# KiCad board oibus-mini-CCC_PANEL.kicad_pcb

Outline 296 x 258 mm; copper layers: Top, Bottom. Coordinates in mm from the lower left corner of the outline.

## Placement (name value [footprint] x y rotation side)
B1  OI_Logo  [octanis_instruments_logo]  18.9 20.91 180 bottom
B1#2  OI_Logo  [octanis_instruments_logo]  55.9 20.91 180 bottom
B1#3  OI_Logo  [octanis_instruments_logo]  129.9 20.91 180 bottom
B1#4  OI_Logo  [octanis_instruments_logo]  92.9 20.91 180 bottom
B1#5  OI_Logo  [octanis_instruments_logo]  203.9 20.91 180 bottom
B1#6  OI_Logo  [octanis_instruments_logo]  166.9 20.91 180 bottom
B1#7  OI_Logo  [octanis_instruments_logo]  277.9 20.91 180 bottom
B1#8  OI_Logo  [octanis_instruments_logo]  240.9 20.91 180 bottom
B1#9  OI_Logo  [octanis_instruments_logo]  55.9 86.91 180 bottom
B1#10  OI_Logo  [octanis_instruments_logo]  18.9 86.91 180 bottom
B1#11  OI_Logo  [octanis_instruments_logo]  203.9 86.91 180 bottom
B1#12  OI_Logo  [octanis_instruments_logo]  166.9 86.91 180 bottom
B1#13  OI_Logo  [octanis_instruments_logo]  129.9 86.91 180 bottom
B1#14  OI_Logo  [octanis_instruments_logo]  92.9 86.91 180 bottom
B1#15  OI_Logo  [octanis_instruments_logo]  277.9 86.91 180 bottom
B1#16  OI_Logo  [octanis_instruments_logo]  240.9 86.91 180 bottom
B1#17  OI_Logo  [octanis_instruments_logo]  55.9 152.91 180 bottom
B1#18  OI_Logo  [octanis_instruments_logo]  18.9 152.91 180 bottom
B1#19  OI_Logo  [octanis_instruments_logo]  203.9 152.91 180 bottom
B1#20  OI_Logo  [octanis_instruments_logo]  166.9 152.91 180 bottom
B1#21  OI_Logo  [octanis_instruments_logo]  129.9 152.91 180 bottom
B1#22  OI_Logo  [octanis_instruments_logo]  92.9 152.91 180 bottom
B1#23  OI_Logo  [octanis_instruments_logo]  55.9 218.91 180 bottom
B1#24  OI_Logo  [octanis_instruments_logo]  18.9 218.91 180 bottom
B1#25  OI_Logo  [octanis_instruments_logo]  277.9 152.91 180 bottom
B1#26  OI_Logo  [octanis_instruments_logo]  240.9 152.91 180 bottom
B1#27  OI_Logo  [octanis_instruments_logo]  203.9 218.91 180 bottom
B1#28  OI_Logo  [octanis_instruments_logo]  166.9 218.91 180 bottom
B1#29  OI_Logo  [octanis_instruments_logo]  129.9 218.91 180 bottom
B1#30  OI_Logo  [octanis_instruments_logo]  92.9 218.91 180 bottom
B1#31  OI_Logo  [octanis_instruments_logo]  277.9 218.91 180 bottom
B1#32  OI_Logo  [octanis_instruments_logo]  240.9 218.91 180 bottom
BT1  Battery_Cell  [JST_PH_S2B-PH-K_1x02_P2.00mm_Horizontal]  4.2 6.01 0 top
BT1#2  Battery_Cell  [JST_PH_S2B-PH-K_1x02_P2.00mm_Horizontal]  41.2 6.01 0 top
BT1#3  Battery_Cell  [JST_PH_S2B-PH-K_1x02_P2.00mm_Horizontal]  78.2 6.01 0 top
BT1#4  Battery_Cell  [JST_PH_S2B-PH-K_1x02_P2.00mm_Horizontal]  115.2 6.01 0 top
BT1#5  Battery_Cell  [JST_PH_S2B-PH-K_1x02_P2.00mm_Horizontal]  189.2 6.01 0 top
BT1#6  Battery_Cell  [JST_PH_S2B-PH-K_1x02_P2.00mm_Horizontal]  152.2 6.01 0 top
BT1#7  Battery_Cell  [JST_PH_S2B-PH-K_1x02_P2.00mm_Horizontal]  226.2 6.01 0 top
BT1#8  Battery_Cell  [JST_PH_S2B-PH-K_1x02_P2.00mm_Horizontal]  263.2 6.01 0 top
BT1#9  Battery_Cell  [JST_PH_S2B-PH-K_1x02_P2.00mm_Horizontal]  152.2 72.01 0 top
BT1#10  Battery_Cell  [JST_PH_S2B-PH-K_1x02_P2.00mm_Horizontal]  4.2 72.01 0 top
BT1#11  Battery_Cell  [JST_PH_S2B-PH-K_1x02_P2.00mm_Horizontal]  115.2 72.01 0 top
BT1#12  Battery_Cell  [JST_PH_S2B-PH-K_1x02_P2.00mm_Horizontal]  78.2 72.01 0 top
BT1#13  Battery_Cell  [JST_PH_S2B-PH-K_1x02_P2.00mm_Horizontal]  41.2 72.01 0 top
BT1#14  Battery_Cell  [JST_PH_S2B-PH-K_1x02_P2.00mm_Horizontal]  189.2 72.01 0 top
BT1#15  Battery_Cell  [JST_PH_S2B-PH-K_1x02_P2.00mm_Horizontal]  226.2 72.01 0 top
BT1#16  Battery_Cell  [JST_PH_S2B-PH-K_1x02_P2.00mm_Horizontal]  263.2 72.01 0 top
BT1#17  Battery_Cell  [JST_PH_S2B-PH-K_1x02_P2.00mm_Horizontal]  152.2 138.01 0 top
BT1#18  Battery_Cell  [JST_PH_S2B-PH-K_1x02_P2.00mm_Horizontal]  4.2 138.01 0 top
BT1#19  Battery_Cell  [JST_PH_S2B-PH-K_1x02_P2.00mm_Horizontal]  115.2 138.01 0 top
BT1#20  Battery_Cell  [JST_PH_S2B-PH-K_1x02_P2.00mm_Horizontal]  78.2 138.01 0 top
BT1#21  Battery_Cell  [JST_PH_S2B-PH-K_1x02_P2.00mm_Horizontal]  41.2 138.01 0 top
BT1#22  Battery_Cell  [JST_PH_S2B-PH-K_1x02_P2.00mm_Horizontal]  189.2 138.01 0 top
BT1#23  Battery_Cell  [JST_PH_S2B-PH-K_1x02_P2.00mm_Horizontal]  226.2 138.01 0 top
BT1#24  Battery_Cell  [JST_PH_S2B-PH-K_1x02_P2.00mm_Horizontal]  152.2 204.01 0 top
BT1#25  Battery_Cell  [JST_PH_S2B-PH-K_1x02_P2.00mm_Horizontal]  4.2 204.01 0 top
BT1#26  Battery_Cell  [JST_PH_S2B-PH-K_1x02_P2.00mm_Horizontal]  263.2 138.01 0 top
BT1#27  Battery_Cell  [JST_PH_S2B-PH-K_1x02_P2.00mm_Horizontal]  115.2 204.01 0 top
BT1#28  Battery_Cell  [JST_PH_S2B-PH-K_1x02_P2.00mm_Horizontal]  78.2 204.01 0 top
BT1#29  Battery_Cell  [JST_PH_S2B-PH-K_1x02_P2.00mm_Horizontal]  41.2 204.01 0 top
BT1#30  Battery_Cell  [JST_PH_S2B-PH-K_1x02_P2.00mm_Horizontal]  189.2 204.01 0 top
BT1#31  Battery_Cell  [JST_PH_S2B-PH-K_1x02_P2.00mm_Horizontal]  226.2 204.01 0 top
BT1#32  Battery_Cell  [JST_PH_S2B-PH-K_1x02_P2.00mm_Horizontal]  263.2 204.01 0 top
C1  1u  [C_0603_1608Metric]  26.8 16.21 180 top
C1#2  1u  [C_0603_1608Metric]  63.8 16.21 180 top
C1#3  1u  [C_0603_1608Metric]  100.8 16.21 180 top
C1#4  1u  [C_0603_1608Metric]  137.8 16.21 180 top
C1#5  1u  [C_0603_1608Metric]  211.8 16.21 180 top
C1#6  1u  [C_0603_1608Metric]  174.8 16.21 180 top
C1#7  1u  [C_0603_1608Metric]  248.8 16.21 180 top
C1#8  1u  [C_0603_1608Metric]  285.8 16.21 180 top
C1#9  1u  [C_0603_1608Metric]  174.8 82.21 180 top
C1#10  1u  [C_0603_1608Metric]  26.8 82.21 180 top
C1#11  1u  [C_0603_1608Metric]  137.8 82.21 180 top
C1#12  1u  [C_0603_1608Metric]  100.8 82.21 180 top
C1#13  1u  [C_0603_1608Metric]  63.8 82.21 180 top
C1#14  1u  [C_0603_1608Metric]  211.8 82.21 180 top
C1#15  1u  [C_0603_1608Metric]  248.8 82.21 180 top
C1#16  1u  [C_0603_1608Metric]  285.8 82.21 180 top
C1#17  1u  [C_0603_1608Metric]  174.8 148.21 180 top
C1#18  1u  [C_0603_1608Metric]  26.8 148.21 180 top
C1#19  1u  [C_0603_1608Metric]  137.8 148.21 180 top
C1#20  1u  [C_0603_1608Metric]  100.8 148.21 180 top
C1#21  1u  [C_0603_1608Metric]  63.8 148.21 180 top
C1#22  1u  [C_0603_1608Metric]  211.8 148.21 180 top
C1#23  1u  [C_0603_1608Metric]  248.8 148.21 180 top
C1#24  1u  [C_0603_1608Metric]  174.8 214.21 180 top
C1#25  1u  [C_0603_1608Metric]  26.8 214.21 180 top
C1#26  1u  [C_0603_1608Metric]  285.8 148.21 180 top
C1#27  1u  [C_0603_1608Metric]  137.8 214.21 180 top
C1#28  1u  [C_0603_1608Metric]  100.8 214.21 180 top
C1#29  1u  [C_0603_1608Metric]  63.8 214.21 180 top
C1#30  1u  [C_0603_1608Metric]  211.8 214.21 180 top
C1#31  1u  [C_0603_1608Metric]  248.8 214.21 180 top
C1#32  1u  [C_0603_1608Metric]  285.8 214.21 180 top
C2  47u 16V  [C_Elec_5x5.4]  33.25 3.21 0 top
C2#2  47u 16V  [C_Elec_5x5.4]  70.25 3.21 0 top
C2#3  47u 16V  [C_Elec_5x5.4]  144.25 3.21 0 top
C2#4  47u 16V  [C_Elec_5x5.4]  107.25 3.21 0 top
C2#5  47u 16V  [C_Elec_5x5.4]  218.25 3.21 0 top
C2#6  47u 16V  [C_Elec_5x5.4]  181.25 3.21 0 top
C2#7  47u 16V  [C_Elec_5x5.4]  292.25 3.21 0 top
C2#8  47u 16V  [C_Elec_5x5.4]  255.25 3.21 0 top
C2#9  47u 16V  [C_Elec_5x5.4]  70.25 69.21 0 top
C2#10  47u 16V  [C_Elec_5x5.4]  33.25 69.21 0 top
C2#11  47u 16V  [C_Elec_5x5.4]  218.25 69.21 0 top
C2#12  47u 16V  [C_Elec_5x5.4]  181.25 69.21 0 top
C2#13  47u 16V  [C_Elec_5x5.4]  144.25 69.21 0 top
C2#14  47u 16V  [C_Elec_5x5.4]  107.25 69.21 0 top
C2#15  47u 16V  [C_Elec_5x5.4]  292.25 69.21 0 top
C2#16  47u 16V  [C_Elec_5x5.4]  255.25 69.21 0 top
C2#17  47u 16V  [C_Elec_5x5.4]  70.25 135.21 0 top
C2#18  47u 16V  [C_Elec_5x5.4]  33.25 135.21 0 top
C2#19  47u 16V  [C_Elec_5x5.4]  218.25 135.21 0 top
C2#20  47u 16V  [C_Elec_5x5.4]  181.25 135.21 0 top
C2#21  47u 16V  [C_Elec_5x5.4]  144.25 135.21 0 top
C2#22  47u 16V  [C_Elec_5x5.4]  107.25 135.21 0 top
C2#23  47u 16V  [C_Elec_5x5.4]  70.25 201.21 0 top
C2#24  47u 16V  [C_Elec_5x5.4]  33.25 201.21 0 top
C2#25  47u 16V  [C_Elec_5x5.4]  292.25 135.21 0 top
C2#26  47u 16V  [C_Elec_5x5.4]  255.25 135.21 0 top
C2#27  47u 16V  [C_Elec_5x5.4]  218.25 201.21 0 top
C2#28  47u 16V  [C_Elec_5x5.4]  181.25 201.21 0 top
C2#29  47u 16V  [C_Elec_5x5.4]  144.25 201.21 0 top
C2#30  47u 16V  [C_Elec_5x5.4]  107.25 201.21 0 top
C2#31  47u 16V  [C_Elec_5x5.4]  292.25 201.21 0 top
C2#32  47u 16V  [C_Elec_5x5.4]  255.25 201.21 0 top
C3  1u  [C_0603_1608Metric]  26.8 22.11 180 top
C3#2  1u  [C_0603_1608Metric]  63.8 22.11 180 top
C3#3  1u  [C_0603_1608Metric]  100.8 22.11 180 top
C3#4  1u  [C_0603_1608Metric]  137.8 22.11 180 top
C3#5  1u  [C_0603_1608Metric]  211.8 22.11 180 top
C3#6  1u  [C_0603_1608Metric]  174.8 22.11 180 top
C3#7  1u  [C_0603_1608Metric]  248.8 22.11 180 top
C3#8  1u  [C_0603_1608Metric]  285.8 22.11 180 top
C3#9  1u  [C_0603_1608Metric]  174.8 88.11 180 top
C3#10  1u  [C_0603_1608Metric]  26.8 88.11 180 top
C3#11  1u  [C_0603_1608Metric]  137.8 88.11 180 top
C3#12  1u  [C_0603_1608Metric]  100.8 88.11 180 top
C3#13  1u  [C_0603_1608Metric]  63.8 88.11 180 top
C3#14  1u  [C_0603_1608Metric]  211.8 88.11 180 top
C3#15  1u  [C_0603_1608Metric]  248.8 88.11 180 top
C3#16  1u  [C_0603_1608Metric]  285.8 88.11 180 top
C3#17  1u  [C_0603_1608Metric]  174.8 154.11 180 top
C3#18  1u  [C_0603_1608Metric]  26.8 154.11 180 top
C3#19  1u  [C_0603_1608Metric]  137.8 154.11 180 top
C3#20  1u  [C_0603_1608Metric]  100.8 154.11 180 top
C3#21  1u  [C_0603_1608Metric]  63.8 154.11 180 top
C3#22  1u  [C_0603_1608Metric]  211.8 154.11 180 top
C3#23  1u  [C_0603_1608Metric]  248.8 154.11 180 top
C3#24  1u  [C_0603_1608Metric]  174.8 220.11 180 top
C3#25  1u  [C_0603_1608Metric]  26.8 220.11 180 top
C3#26  1u  [C_0603_1608Metric]  285.8 154.11 180 top
C3#27  1u  [C_0603_1608Metric]  137.8 220.11 180 top
C3#28  1u  [C_0603_1608Metric]  100.8 220.11 180 top
C3#29  1u  [C_0603_1608Metric]  63.8 220.11 180 top
C3#30  1u  [C_0603_1608Metric]  211.8 220.11 180 top
C3#31  1u  [C_0603_1608Metric]  248.8 220.11 180 top
C3#32  1u  [C_0603_1608Metric]  285.8 220.11 180 top
C4  4u7  [C_0603_1608Metric]  17.3 16.91 90 top
C4#2  4u7  [C_0603_1608Metric]  54.3 16.91 90 top
C4#3  4u7  [C_0603_1608Metric]  91.3 16.91 90 top
C4#4  4u7  [C_0603_1608Metric]  128.3 16.91 90 top
C4#5  4u7  [C_0603_1608Metric]  165.3 16.91 90 top
C4#6  4u7  [C_0603_1608Metric]  202.3 16.91 90 top
C4#7  4u7  [C_0603_1608Metric]  276.3 16.91 90 top
C4#8  4u7  [C_0603_1608Metric]  239.3 16.91 90 top
C4#9  4u7  [C_0603_1608Metric]  17.3 82.91 90 top
C4#10  4u7  [C_0603_1608Metric]  202.3 82.91 90 top
C4#11  4u7  [C_0603_1608Metric]  91.3 82.91 90 top
C4#12  4u7  [C_0603_1608Metric]  128.3 82.91 90 top
C4#13  4u7  [C_0603_1608Metric]  54.3 82.91 90 top
C4#14  4u7  [C_0603_1608Metric]  165.3 82.91 90 top
C4#15  4u7  [C_0603_1608Metric]  276.3 82.91 90 top
C4#16  4u7  [C_0603_1608Metric]  239.3 82.91 90 top
C4#17  4u7  [C_0603_1608Metric]  17.3 148.91 90 top
C4#18  4u7  [C_0603_1608Metric]  202.3 148.91 90 top
C4#19  4u7  [C_0603_1608Metric]  91.3 148.91 90 top
C4#20  4u7  [C_0603_1608Metric]  128.3 148.91 90 top
C4#21  4u7  [C_0603_1608Metric]  54.3 148.91 90 top
C4#22  4u7  [C_0603_1608Metric]  165.3 148.91 90 top
C4#23  4u7  [C_0603_1608Metric]  17.3 214.91 90 top
C4#24  4u7  [C_0603_1608Metric]  276.3 148.91 90 top
C4#25  4u7  [C_0603_1608Metric]  239.3 148.91 90 top
C4#26  4u7  [C_0603_1608Metric]  202.3 214.91 90 top
C4#27  4u7  [C_0603_1608Metric]  91.3 214.91 90 top
C4#28  4u7  [C_0603_1608Metric]  128.3 214.91 90 top
C4#29  4u7  [C_0603_1608Metric]  54.3 214.91 90 top
C4#30  4u7  [C_0603_1608Metric]  165.3 214.91 90 top
C4#31  4u7  [C_0603_1608Metric]  276.3 214.91 90 top
C4#32  4u7  [C_0603_1608Metric]  239.3 214.91 90 top
C5  100n  [C_0603_1608Metric]  35 58.01 180 top
C5#2  100n  [C_0603_1608Metric]  72 58.01 180 top
C5#3  100n  [C_0603_1608Metric]  109 58.01 180 top
C5#4  100n  [C_0603_1608Metric]  146 58.01 180 top
C5#5  100n  [C_0603_1608Metric]  220 58.01 180 top
C5#6  100n  [C_0603_1608Metric]  183 58.01 180 top
C5#7  100n  [C_0603_1608Metric]  294 58.01 180 top
C5#8  100n  [C_0603_1608Metric]  257 58.01 180 top
C5#9  100n  [C_0603_1608Metric]  35 124.01 180 top
C5#10  100n  [C_0603_1608Metric]  146 124.01 180 top
C5#11  100n  [C_0603_1608Metric]  109 124.01 180 top
C5#12  100n  [C_0603_1608Metric]  72 124.01 180 top
C5#13  100n  [C_0603_1608Metric]  220 124.01 180 top
C5#14  100n  [C_0603_1608Metric]  183 124.01 180 top
C5#15  100n  [C_0603_1608Metric]  294 124.01 180 top
C5#16  100n  [C_0603_1608Metric]  257 124.01 180 top
C5#17  100n  [C_0603_1608Metric]  35 190.01 180 top
C5#18  100n  [C_0603_1608Metric]  146 190.01 180 top
C5#19  100n  [C_0603_1608Metric]  109 190.01 180 top
C5#20  100n  [C_0603_1608Metric]  72 190.01 180 top
C5#21  100n  [C_0603_1608Metric]  220 190.01 180 top
C5#22  100n  [C_0603_1608Metric]  183 190.01 180 top
C5#23  100n  [C_0603_1608Metric]  35 256.01 180 top
C5#24  100n  [C_0603_1608Metric]  294 190.01 180 top
C5#25  100n  [C_0603_1608Metric]  257 190.01 180 top
C5#26  100n  [C_0603_1608Metric]  146 256.01 180 top
C5#27  100n  [C_0603_1608Metric]  109 256.01 180 top
C5#28  100n  [C_0603_1608Metric]  72 256.01 180 top
C5#29  100n  [C_0603_1608Metric]  220 256.01 180 top
C5#30  100n  [C_0603_1608Metric]  183 256.01 180 top
C5#31  100n  [C_0603_1608Metric]  294 256.01 180 top
C5#32  100n  [C_0603_1608Metric]  257 256.01 180 top
C6  100n  [C_0603_1608Metric]  32 18.51 180 top
C6#2  100n  [C_0603_1608Metric]  69 18.51 180 top
C6#3  100n  [C_0603_1608Metric]  106 18.51 180 top
C6#4  100n  [C_0603_1608Metric]  143 18.51 180 top
C6#5  100n  [C_0603_1608Metric]  180 18.51 180 top
C6#6  100n  [C_0603_1608Metric]  217 18.51 180 top
C6#7  100n  [C_0603_1608Metric]  291 18.51 180 top
C6#8  100n  [C_0603_1608Metric]  254 18.51 180 top
C6#9  100n  [C_0603_1608Metric]  32 84.51 180 top
C6#10  100n  [C_0603_1608Metric]  217 84.51 180 top
C6#11  100n  [C_0603_1608Metric]  106 84.51 180 top
C6#12  100n  [C_0603_1608Metric]  143 84.51 180 top
C6#13  100n  [C_0603_1608Metric]  69 84.51 180 top
C6#14  100n  [C_0603_1608Metric]  180 84.51 180 top
C6#15  100n  [C_0603_1608Metric]  291 84.51 180 top
C6#16  100n  [C_0603_1608Metric]  254 84.51 180 top
C6#17  100n  [C_0603_1608Metric]  32 150.51 180 top
C6#18  100n  [C_0603_1608Metric]  217 150.51 180 top
C6#19  100n  [C_0603_1608Metric]  106 150.51 180 top
C6#20  100n  [C_0603_1608Metric]  143 150.51 180 top
C6#21  100n  [C_0603_1608Metric]  69 150.51 180 top
C6#22  100n  [C_0603_1608Metric]  180 150.51 180 top
C6#23  100n  [C_0603_1608Metric]  291 150.51 180 top
C6#24  100n  [C_0603_1608Metric]  32 216.51 180 top
C6#25  100n  [C_0603_1608Metric]  254 150.51 180 top
C6#26  100n  [C_0603_1608Metric]  217 216.51 180 top
C6#27  100n  [C_0603_1608Metric]  106 216.51 180 top
C6#28  100n  [C_0603_1608Metric]  143 216.51 180 top
C6#29  100n  [C_0603_1608Metric]  69 216.51 180 top
C6#30  100n  [C_0603_1608Metric]  180 216.51 180 top
C6#31  100n  [C_0603_1608Metric]  291 216.51 180 top
C6#32  100n  [C_0603_1608Metric]  254 216.51 180 top
C7  4u7  [C_0603_1608Metric]  14.5 7.01 270 top
C7#2  4u7  [C_0603_1608Metric]  51.5 7.01 270 top
C7#3  4u7  [C_0603_1608Metric]  88.5 7.01 270 top
C7#4  4u7  [C_0603_1608Metric]  125.5 7.01 270 top
C7#5  4u7  [C_0603_1608Metric]  162.5 7.01 270 top
C7#6  4u7  [C_0603_1608Metric]  199.5 7.01 270 top
C7#7  4u7  [C_0603_1608Metric]  273.5 7.01 270 top
C7#8  4u7  [C_0603_1608Metric]  236.5 7.01 270 top
C7#9  4u7  [C_0603_1608Metric]  14.5 73.01 270 top
C7#10  4u7  [C_0603_1608Metric]  199.5 73.01 270 top
C7#11  4u7  [C_0603_1608Metric]  88.5 73.01 270 top
C7#12  4u7  [C_0603_1608Metric]  125.5 73.01 270 top
C7#13  4u7  [C_0603_1608Metric]  51.5 73.01 270 top
C7#14  4u7  [C_0603_1608Metric]  162.5 73.01 270 top
C7#15  4u7  [C_0603_1608Metric]  273.5 73.01 270 top
C7#16  4u7  [C_0603_1608Metric]  236.5 73.01 270 top
C7#17  4u7  [C_0603_1608Metric]  14.5 139.01 270 top
C7#18  4u7  [C_0603_1608Metric]  199.5 139.01 270 top
C7#19  4u7  [C_0603_1608Metric]  88.5 139.01 270 top
C7#20  4u7  [C_0603_1608Metric]  125.5 139.01 270 top
C7#21  4u7  [C_0603_1608Metric]  51.5 139.01 270 top
C7#22  4u7  [C_0603_1608Metric]  162.5 139.01 270 top
C7#23  4u7  [C_0603_1608Metric]  14.5 205.01 270 top
C7#24  4u7  [C_0603_1608Metric]  273.5 139.01 270 top
C7#25  4u7  [C_0603_1608Metric]  236.5 139.01 270 top
C7#26  4u7  [C_0603_1608Metric]  199.5 205.01 270 top
C7#27  4u7  [C_0603_1608Metric]  88.5 205.01 270 top
C7#28  4u7  [C_0603_1608Metric]  125.5 205.01 270 top
C7#29  4u7  [C_0603_1608Metric]  51.5 205.01 270 top
C7#30  4u7  [C_0603_1608Metric]  162.5 205.01 270 top
C7#31  4u7  [C_0603_1608Metric]  273.5 205.01 270 top
C7#32  4u7  [C_0603_1608Metric]  236.5 205.01 270 top
C8  4u7  [C_0603_1608Metric]  21 6.76 90 top
C8#2  4u7  [C_0603_1608Metric]  58 6.76 90 top
C8#3  4u7  [C_0603_1608Metric]  95 6.76 90 top
C8#4  4u7  [C_0603_1608Metric]  132 6.76 90 top
C8#5  4u7  [C_0603_1608Metric]  169 6.76 90 top
C8#6  4u7  [C_0603_1608Metric]  206 6.76 90 top
C8#7  4u7  [C_0603_1608Metric]  280 6.76 90 top
C8#8  4u7  [C_0603_1608Metric]  243 6.76 90 top
C8#9  4u7  [C_0603_1608Metric]  21 72.76 90 top
C8#10  4u7  [C_0603_1608Metric]  206 72.76 90 top
C8#11  4u7  [C_0603_1608Metric]  95 72.76 90 top
C8#12  4u7  [C_0603_1608Metric]  132 72.76 90 top
C8#13  4u7  [C_0603_1608Metric]  58 72.76 90 top
C8#14  4u7  [C_0603_1608Metric]  169 72.76 90 top
C8#15  4u7  [C_0603_1608Metric]  280 72.76 90 top
C8#16  4u7  [C_0603_1608Metric]  243 72.76 90 top
C8#17  4u7  [C_0603_1608Metric]  21 138.76 90 top
C8#18  4u7  [C_0603_1608Metric]  206 138.76 90 top
C8#19  4u7  [C_0603_1608Metric]  95 138.76 90 top
C8#20  4u7  [C_0603_1608Metric]  132 138.76 90 top
C8#21  4u7  [C_0603_1608Metric]  58 138.76 90 top
C8#22  4u7  [C_0603_1608Metric]  169 138.76 90 top
C8#23  4u7  [C_0603_1608Metric]  21 204.76 90 top
C8#24  4u7  [C_0603_1608Metric]  280 138.76 90 top
C8#25  4u7  [C_0603_1608Metric]  243 138.76 90 top
C8#26  4u7  [C_0603_1608Metric]  206 204.76 90 top
C8#27  4u7  [C_0603_1608Metric]  95 204.76 90 top
C8#28  4u7  [C_0603_1608Metric]  132 204.76 90 top
C8#29  4u7  [C_0603_1608Metric]  58 204.76 90 top
C8#30  4u7  [C_0603_1608Metric]  169 204.76 90 top
C8#31  4u7  [C_0603_1608Metric]  280 204.76 90 top
C8#32  4u7  [C_0603_1608Metric]  243 204.76 90 top
C9  10u  [C_0805_2012Metric]  15.05 16.91 90 top
C9#2  10u  [C_0805_2012Metric]  52.05 16.91 90 top
C9#3  10u  [C_0805_2012Metric]  89.05 16.91 90 top
C9#4  10u  [C_0805_2012Metric]  126.05 16.91 90 top
C9#5  10u  [C_0805_2012Metric]  200.05 16.91 90 top
C9#6  10u  [C_0805_2012Metric]  163.05 16.91 90 top
C9#7  10u  [C_0805_2012Metric]  237.05 16.91 90 top
C9#8  10u  [C_0805_2012Metric]  274.05 16.91 90 top
C9#9  10u  [C_0805_2012Metric]  15.05 82.91 90 top
C9#10  10u  [C_0805_2012Metric]  163.05 82.91 90 top
C9#11  10u  [C_0805_2012Metric]  126.05 82.91 90 top
C9#12  10u  [C_0805_2012Metric]  89.05 82.91 90 top
C9#13  10u  [C_0805_2012Metric]  52.05 82.91 90 top
C9#14  10u  [C_0805_2012Metric]  200.05 82.91 90 top
C9#15  10u  [C_0805_2012Metric]  237.05 82.91 90 top
C9#16  10u  [C_0805_2012Metric]  274.05 82.91 90 top
C9#17  10u  [C_0805_2012Metric]  15.05 148.91 90 top
C9#18  10u  [C_0805_2012Metric]  163.05 148.91 90 top
C9#19  10u  [C_0805_2012Metric]  126.05 148.91 90 top
C9#20  10u  [C_0805_2012Metric]  89.05 148.91 90 top
C9#21  10u  [C_0805_2012Metric]  52.05 148.91 90 top
C9#22  10u  [C_0805_2012Metric]  200.05 148.91 90 top
C9#23  10u  [C_0805_2012Metric]  237.05 148.91 90 top
C9#24  10u  [C_0805_2012Metric]  15.05 214.91 90 top
C9#25  10u  [C_0805_2012Metric]  274.05 148.91 90 top
C9#26  10u  [C_0805_2012Metric]  163.05 214.91 90 top
C9#27  10u  [C_0805_2012Metric]  126.05 214.91 90 top
C9#28  10u  [C_0805_2012Metric]  89.05 214.91 90 top
C9#29  10u  [C_0805_2012Metric]  52.05 214.91 90 top
C9#30  10u  [C_0805_2012Metric]  200.05 214.91 90 top
C9#31  10u  [C_0805_2012Metric]  237.05 214.91 90 top
C9#32  10u  [C_0805_2012Metric]  274.05 214.91 90 top
C10  100n  [C_0603_1608Metric]  1.2 20.21 270 top
C10#2  100n  [C_0603_1608Metric]  38.2 20.21 270 top
C10#3  100n  [C_0603_1608Metric]  75.2 20.21 270 top
C10#4  100n  [C_0603_1608Metric]  112.2 20.21 270 top
C10#5  100n  [C_0603_1608Metric]  186.2 20.21 270 top
C10#6  100n  [C_0603_1608Metric]  149.2 20.21 270 top
C10#7  100n  [C_0603_1608Metric]  223.2 20.21 270 top
C10#8  100n  [C_0603_1608Metric]  260.2 20.21 270 top
C10#9  100n  [C_0603_1608Metric]  1.2 86.21 270 top
C10#10  100n  [C_0603_1608Metric]  149.2 86.21 270 top
C10#11  100n  [C_0603_1608Metric]  112.2 86.21 270 top
C10#12  100n  [C_0603_1608Metric]  75.2 86.21 270 top
C10#13  100n  [C_0603_1608Metric]  38.2 86.21 270 top
C10#14  100n  [C_0603_1608Metric]  186.2 86.21 270 top
C10#15  100n  [C_0603_1608Metric]  223.2 86.21 270 top
C10#16  100n  [C_0603_1608Metric]  260.2 86.21 270 top
C10#17  100n  [C_0603_1608Metric]  1.2 152.21 270 top
C10#18  100n  [C_0603_1608Metric]  149.2 152.21 270 top
C10#19  100n  [C_0603_1608Metric]  112.2 152.21 270 top
C10#20  100n  [C_0603_1608Metric]  75.2 152.21 270 top
C10#21  100n  [C_0603_1608Metric]  38.2 152.21 270 top
C10#22  100n  [C_0603_1608Metric]  186.2 152.21 270 top
C10#23  100n  [C_0603_1608Metric]  223.2 152.21 270 top
C10#24  100n  [C_0603_1608Metric]  1.2 218.21 270 top
C10#25  100n  [C_0603_1608Metric]  260.2 152.21 270 top
C10#26  100n  [C_0603_1608Metric]  149.2 218.21 270 top
C10#27  100n  [C_0603_1608Metric]  112.2 218.21 270 top
C10#28  100n  [C_0603_1608Metric]  75.2 218.21 270 top
C10#29  100n  [C_0603_1608Metric]  38.2 218.21 270 top
C10#30  100n  [C_0603_1608Metric]  186.2 218.21 270 top
C10#31  100n  [C_0603_1608Metric]  223.2 218.21 270 top
C10#32  100n  [C_0603_1608Metric]  260.2 218.21 270 top
C11  100n  [C_0603_1608Metric]  11.2 49.71 180 top
C11#2  100n  [C_0603_1608Metric]  48.2 49.71 180 top
C11#3  100n  [C_0603_1608Metric]  85.2 49.71 180 top
C11#4  100n  [C_0603_1608Metric]  122.2 49.71 180 top
C11#5  100n  [C_0603_1608Metric]  196.2 49.71 180 top
C11#6  100n  [C_0603_1608Metric]  159.2 49.71 180 top
C11#7  100n  [C_0603_1608Metric]  233.2 49.71 180 top
C11#8  100n  [C_0603_1608Metric]  270.2 49.71 180 top
C11#9  100n  [C_0603_1608Metric]  11.2 115.71 180 top
C11#10  100n  [C_0603_1608Metric]  159.2 115.71 180 top
C11#11  100n  [C_0603_1608Metric]  122.2 115.71 180 top
C11#12  100n  [C_0603_1608Metric]  85.2 115.71 180 top
C11#13  100n  [C_0603_1608Metric]  48.2 115.71 180 top
C11#14  100n  [C_0603_1608Metric]  196.2 115.71 180 top
C11#15  100n  [C_0603_1608Metric]  233.2 115.71 180 top
C11#16  100n  [C_0603_1608Metric]  270.2 115.71 180 top
C11#17  100n  [C_0603_1608Metric]  11.2 181.71 180 top
C11#18  100n  [C_0603_1608Metric]  159.2 181.71 180 top
C11#19  100n  [C_0603_1608Metric]  122.2 181.71 180 top
C11#20  100n  [C_0603_1608Metric]  85.2 181.71 180 top
C11#21  100n  [C_0603_1608Metric]  48.2 181.71 180 top
C11#22  100n  [C_0603_1608Metric]  196.2 181.71 180 top
C11#23  100n  [C_0603_1608Metric]  233.2 181.71 180 top
C11#24  100n  [C_0603_1608Metric]  11.2 247.71 180 top
C11#25  100n  [C_0603_1608Metric]  270.2 181.71 180 top
C11#26  100n  [C_0603_1608Metric]  159.2 247.71 180 top
C11#27  100n  [C_0603_1608Metric]  122.2 247.71 180 top
C11#28  100n  [C_0603_1608Metric]  85.2 247.71 180 top
C11#29  100n  [C_0603_1608Metric]  48.2 247.71 180 top
C11#30  100n  [C_0603_1608Metric]  196.2 247.71 180 top
C11#31  100n  [C_0603_1608Metric]  233.2 247.71 180 top
C11#32  100n  [C_0603_1608Metric]  270.2 247.71 180 top
C12  10n  [C_0603_1608Metric]  21.75 4.26 0 top
C12#2  10n  [C_0603_1608Metric]  58.75 4.26 0 top
C12#3  10n  [C_0603_1608Metric]  95.75 4.26 0 top
C12#4  10n  [C_0603_1608Metric]  132.75 4.26 0 top
C12#5  10n  [C_0603_1608Metric]  206.75 4.26 0 top
C12#6  10n  [C_0603_1608Metric]  169.75 4.26 0 top
C12#7  10n  [C_0603_1608Metric]  243.75 4.26 0 top
C12#8  10n  [C_0603_1608Metric]  280.75 4.26 0 top
C12#9  10n  [C_0603_1608Metric]  21.75 70.26 0 top
C12#10  10n  [C_0603_1608Metric]  169.75 70.26 0 top
C12#11  10n  [C_0603_1608Metric]  132.75 70.26 0 top
C12#12  10n  [C_0603_1608Metric]  95.75 70.26 0 top
C12#13  10n  [C_0603_1608Metric]  58.75 70.26 0 top
C12#14  10n  [C_0603_1608Metric]  206.75 70.26 0 top
C12#15  10n  [C_0603_1608Metric]  243.75 70.26 0 top
C12#16  10n  [C_0603_1608Metric]  280.75 70.26 0 top
C12#17  10n  [C_0603_1608Metric]  21.75 136.26 0 top
C12#18  10n  [C_0603_1608Metric]  169.75 136.26 0 top
C12#19  10n  [C_0603_1608Metric]  132.75 136.26 0 top
C12#20  10n  [C_0603_1608Metric]  95.75 136.26 0 top
C12#21  10n  [C_0603_1608Metric]  58.75 136.26 0 top
C12#22  10n  [C_0603_1608Metric]  206.75 136.26 0 top
C12#23  10n  [C_0603_1608Metric]  21.75 202.26 0 top
C12#24  10n  [C_0603_1608Metric]  243.75 136.26 0 top
C12#25  10n  [C_0603_1608Metric]  280.75 136.26 0 top
C12#26  10n  [C_0603_1608Metric]  169.75 202.26 0 top
C12#27  10n  [C_0603_1608Metric]  132.75 202.26 0 top
C12#28  10n  [C_0603_1608Metric]  95.75 202.26 0 top
C12#29  10n  [C_0603_1608Metric]  58.75 202.26 0 top
C12#30  10n  [C_0603_1608Metric]  206.75 202.26 0 top
C12#31  10n  [C_0603_1608Metric]  243.75 202.26 0 top
C12#32  10n  [C_0603_1608Metric]  280.75 202.26 0 top
C13  100n  [C_0603_1608Metric]  6.1 31.21 90 top
C13#2  100n  [C_0603_1608Metric]  43.1 31.21 90 top
C13#3  100n  [C_0603_1608Metric]  80.1 31.21 90 top
C13#4  100n  [C_0603_1608Metric]  117.1 31.21 90 top
C13#5  100n  [C_0603_1608Metric]  154.1 31.21 90 top
C13#6  100n  [C_0603_1608Metric]  191.1 31.21 90 top
C13#7  100n  [C_0603_1608Metric]  265.1 31.21 90 top
C13#8  100n  [C_0603_1608Metric]  228.1 31.21 90 top
C13#9  100n  [C_0603_1608Metric]  6.1 97.21 90 top
C13#10  100n  [C_0603_1608Metric]  191.1 97.21 90 top
C13#11  100n  [C_0603_1608Metric]  80.1 97.21 90 top
C13#12  100n  [C_0603_1608Metric]  117.1 97.21 90 top
C13#13  100n  [C_0603_1608Metric]  43.1 97.21 90 top
C13#14  100n  [C_0603_1608Metric]  154.1 97.21 90 top
C13#15  100n  [C_0603_1608Metric]  265.1 97.21 90 top
C13#16  100n  [C_0603_1608Metric]  228.1 97.21 90 top
C13#17  100n  [C_0603_1608Metric]  6.1 163.21 90 top
C13#18  100n  [C_0603_1608Metric]  191.1 163.21 90 top
C13#19  100n  [C_0603_1608Metric]  80.1 163.21 90 top
C13#20  100n  [C_0603_1608Metric]  117.1 163.21 90 top
C13#21  100n  [C_0603_1608Metric]  43.1 163.21 90 top
C13#22  100n  [C_0603_1608Metric]  154.1 163.21 90 top
C13#23  100n  [C_0603_1608Metric]  265.1 163.21 90 top
C13#24  100n  [C_0603_1608Metric]  228.1 163.21 90 top
C13#25  100n  [C_0603_1608Metric]  6.1 229.21 90 top
C13#26  100n  [C_0603_1608Metric]  191.1 229.21 90 top
C13#27  100n  [C_0603_1608Metric]  80.1 229.21 90 top
C13#28  100n  [C_0603_1608Metric]  117.1 229.21 90 top
C13#29  100n  [C_0603_1608Metric]  43.1 229.21 90 top
C13#30  100n  [C_0603_1608Metric]  154.1 229.21 90 top
C13#31  100n  [C_0603_1608Metric]  265.1 229.21 90 top
C13#32  100n  [C_0603_1608Metric]  228.1 229.21 90 top
C14  10u  [C_0805_2012Metric]  29.2 10.21 90 top
C14#2  10u  [C_0805_2012Metric]  66.2 10.21 90 top
C14#3  10u  [C_0805_2012Metric]  140.2 10.21 90 top
C14#4  10u  [C_0805_2012Metric]  103.2 10.21 90 top
C14#5  10u  [C_0805_2012Metric]  214.2 10.21 90 top
C14#6  10u  [C_0805_2012Metric]  177.2 10.21 90 top
C14#7  10u  [C_0805_2012Metric]  288.2 10.21 90 top
C14#8  10u  [C_0805_2012Metric]  251.2 10.21 90 top
C14#9  10u  [C_0805_2012Metric]  66.2 76.21 90 top
C14#10  10u  [C_0805_2012Metric]  29.2 76.21 90 top
C14#11  10u  [C_0805_2012Metric]  214.2 76.21 90 top
C14#12  10u  [C_0805_2012Metric]  177.2 76.21 90 top
C14#13  10u  [C_0805_2012Metric]  140.2 76.21 90 top
C14#14  10u  [C_0805_2012Metric]  103.2 76.21 90 top
C14#15  10u  [C_0805_2012Metric]  288.2 76.21 90 top
C14#16  10u  [C_0805_2012Metric]  251.2 76.21 90 top
C14#17  10u  [C_0805_2012Metric]  66.2 142.21 90 top
C14#18  10u  [C_0805_2012Metric]  29.2 142.21 90 top
C14#19  10u  [C_0805_2012Metric]  214.2 142.21 90 top
C14#20  10u  [C_0805_2012Metric]  177.2 142.21 90 top
C14#21  10u  [C_0805_2012Metric]  66.2 208.21 90 top
C14#22  10u  [C_0805_2012Metric]  140.2 142.21 90 top
C14#23  10u  [C_0805_2012Metric]  103.2 142.21 90 top
C14#24  10u  [C_0805_2012Metric]  29.2 208.21 90 top
C14#25  10u  [C_0805_2012Metric]  288.2 142.21 90 top
C14#26  10u  [C_0805_2012Metric]  251.2 142.21 90 top
C14#27  10u  [C_0805_2012Metric]  214.2 208.21 90 top
C14#28  10u  [C_0805_2012Metric]  177.2 208.21 90 top
C14#29  10u  [C_0805_2012Metric]  140.2 208.21 90 top
C14#30  10u  [C_0805_2012Metric]  103.2 208.21 90 top
C14#31  10u  [C_0805_2012Metric]  288.2 208.21 90 top
C14#32  10u  [C_0805_2012Metric]  251.2 208.21 90 top
C15  100n  [C_0603_1608Metric]  27.9 26.41 90 top
C15#2  100n  [C_0603_1608Metric]  64.9 26.41 90 top
C15#3  100n  [C_0603_1608Metric]  138.9 26.41 90 top
C15#4  100n  [C_0603_1608Metric]  101.9 26.41 90 top
C15#5  100n  [C_0603_1608Metric]  212.9 26.41 90 top
C15#6  100n  [C_0603_1608Metric]  175.9 26.41 90 top
C15#7  100n  [C_0603_1608Metric]  249.9 26.41 90 top
C15#8  100n  [C_0603_1608Metric]  286.9 26.41 90 top
C15#9  100n  [C_0603_1608Metric]  64.9 92.41 90 top
C15#10  100n  [C_0603_1608Metric]  138.9 92.41 90 top
C15#11  100n  [C_0603_1608Metric]  27.9 92.41 90 top
C15#12  100n  [C_0603_1608Metric]  175.9 92.41 90 top
C15#13  100n  [C_0603_1608Metric]  101.9 92.41 90 top
C15#14  100n  [C_0603_1608Metric]  212.9 92.41 90 top
C15#15  100n  [C_0603_1608Metric]  249.9 92.41 90 top
C15#16  100n  [C_0603_1608Metric]  286.9 92.41 90 top
C15#17  100n  [C_0603_1608Metric]  64.9 158.41 90 top
C15#18  100n  [C_0603_1608Metric]  138.9 158.41 90 top
C15#19  100n  [C_0603_1608Metric]  27.9 158.41 90 top
C15#20  100n  [C_0603_1608Metric]  175.9 158.41 90 top
C15#21  100n  [C_0603_1608Metric]  64.9 224.41 90 top
C15#22  100n  [C_0603_1608Metric]  101.9 158.41 90 top
C15#23  100n  [C_0603_1608Metric]  212.9 158.41 90 top
C15#24  100n  [C_0603_1608Metric]  138.9 224.41 90 top
C15#25  100n  [C_0603_1608Metric]  27.9 224.41 90 top
C15#26  100n  [C_0603_1608Metric]  249.9 158.41 90 top
C15#27  100n  [C_0603_1608Metric]  286.9 158.41 90 top
C15#28  100n  [C_0603_1608Metric]  175.9 224.41 90 top
C15#29  100n  [C_0603_1608Metric]  101.9 224.41 90 top
C15#30  100n  [C_0603_1608Metric]  212.9 224.41 90 top
C15#31  100n  [C_0603_1608Metric]  249.9 224.41 90 top
C15#32  100n  [C_0603_1608Metric]  286.9 224.41 90 top
C16  12p  [C_0603_1608Metric]  35.04 36.26 180 top
C16#2  12p  [C_0603_1608Metric]  72.04 36.26 180 top
C16#3  12p  [C_0603_1608Metric]  146.04 36.26 180 top
C16#4  12p  [C_0603_1608Metric]  109.04 36.26 180 top
C16#5  12p  [C_0603_1608Metric]  220.04 36.26 180 top
C16#6  12p  [C_0603_1608Metric]  183.04 36.26 180 top
C16#7  12p  [C_0603_1608Metric]  257.04 36.26 180 top
C16#8  12p  [C_0603_1608Metric]  294.04 36.26 180 top
C16#9  12p  [C_0603_1608Metric]  72.04 102.26 180 top
C16#10  12p  [C_0603_1608Metric]  146.04 102.26 180 top
C16#11  12p  [C_0603_1608Metric]  35.04 102.26 180 top
C16#12  12p  [C_0603_1608Metric]  183.04 102.26 180 top
C16#13  12p  [C_0603_1608Metric]  109.04 102.26 180 top
C16#14  12p  [C_0603_1608Metric]  220.04 102.26 180 top
C16#15  12p  [C_0603_1608Metric]  257.04 102.26 180 top
C16#16  12p  [C_0603_1608Metric]  294.04 102.26 180 top
C16#17  12p  [C_0603_1608Metric]  72.04 168.26 180 top
C16#18  12p  [C_0603_1608Metric]  146.04 168.26 180 top
C16#19  12p  [C_0603_1608Metric]  35.04 168.26 180 top
C16#20  12p  [C_0603_1608Metric]  183.04 168.26 180 top
C16#21  12p  [C_0603_1608Metric]  72.04 234.26 180 top
C16#22  12p  [C_0603_1608Metric]  109.04 168.26 180 top
C16#23  12p  [C_0603_1608Metric]  220.04 168.26 180 top
C16#24  12p  [C_0603_1608Metric]  146.04 234.26 180 top
C16#25  12p  [C_0603_1608Metric]  35.04 234.26 180 top
C16#26  12p  [C_0603_1608Metric]  257.04 168.26 180 top
C16#27  12p  [C_0603_1608Metric]  294.04 168.26 180 top
C16#28  12p  [C_0603_1608Metric]  183.04 234.26 180 top
C16#29  12p  [C_0603_1608Metric]  109.04 234.26 180 top
C16#30  12p  [C_0603_1608Metric]  220.04 234.26 180 top
C16#31  12p  [C_0603_1608Metric]  257.04 234.26 180 top
C16#32  12p  [C_0603_1608Metric]  294.04 234.26 180 top
C17  12p  [C_0603_1608Metric]  35.04 42.26 180 top
C17#2  12p  [C_0603_1608Metric]  72.04 42.26 180 top
C17#3  12p  [C_0603_1608Metric]  146.04 42.26 180 top
C17#4  12p  [C_0603_1608Metric]  109.04 42.26 180 top
C17#5  12p  [C_0603_1608Metric]  220.04 42.26 180 top
C17#6  12p  [C_0603_1608Metric]  183.04 42.26 180 top
C17#7  12p  [C_0603_1608Metric]  294.04 42.26 180 top
C17#8  12p  [C_0603_1608Metric]  257.04 42.26 180 top
C17#9  12p  [C_0603_1608Metric]  72.04 108.26 180 top
C17#10  12p  [C_0603_1608Metric]  35.04 108.26 180 top
C17#11  12p  [C_0603_1608Metric]  220.04 108.26 180 top
C17#12  12p  [C_0603_1608Metric]  183.04 108.26 180 top
C17#13  12p  [C_0603_1608Metric]  146.04 108.26 180 top
C17#14  12p  [C_0603_1608Metric]  109.04 108.26 180 top
C17#15  12p  [C_0603_1608Metric]  294.04 108.26 180 top
C17#16  12p  [C_0603_1608Metric]  257.04 108.26 180 top
C17#17  12p  [C_0603_1608Metric]  72.04 174.26 180 top
C17#18  12p  [C_0603_1608Metric]  35.04 174.26 180 top
C17#19  12p  [C_0603_1608Metric]  220.04 174.26 180 top
C17#20  12p  [C_0603_1608Metric]  183.04 174.26 180 top
C17#21  12p  [C_0603_1608Metric]  72.04 240.26 180 top
C17#22  12p  [C_0603_1608Metric]  146.04 174.26 180 top
C17#23  12p  [C_0603_1608Metric]  109.04 174.26 180 top
C17#24  12p  [C_0603_1608Metric]  35.04 240.26 180 top
C17#25  12p  [C_0603_1608Metric]  294.04 174.26 180 top
C17#26  12p  [C_0603_1608Metric]  257.04 174.26 180 top
C17#27  12p  [C_0603_1608Metric]  220.04 240.26 180 top
C17#28  12p  [C_0603_1608Metric]  183.04 240.26 180 top
C17#29  12p  [C_0603_1608Metric]  146.04 240.26 180 top
C17#30  12p  [C_0603_1608Metric]  109.04 240.26 180 top
C17#31  12p  [C_0603_1608Metric]  294.04 240.26 180 top
C17#32  12p  [C_0603_1608Metric]  257.04 240.26 180 top
C18  100n  [C_0603_1608Metric]  6.8 27.81 180 top
C18#2  100n  [C_0603_1608Metric]  43.8 27.81 180 top
C18#3  100n  [C_0603_1608Metric]  117.8 27.81 180 top
C18#4  100n  [C_0603_1608Metric]  80.8 27.81 180 top
C18#5  100n  [C_0603_1608Metric]  191.8 27.81 180 top
C18#6  100n  [C_0603_1608Metric]  154.8 27.81 180 top
C18#7  100n  [C_0603_1608Metric]  265.8 27.81 180 top
C18#8  100n  [C_0603_1608Metric]  228.8 27.81 180 top
C18#9  100n  [C_0603_1608Metric]  43.8 93.81 180 top
C18#10  100n  [C_0603_1608Metric]  6.8 93.81 180 top
C18#11  100n  [C_0603_1608Metric]  191.8 93.81 180 top
C18#12  100n  [C_0603_1608Metric]  154.8 93.81 180 top
C18#13  100n  [C_0603_1608Metric]  117.8 93.81 180 top
C18#14  100n  [C_0603_1608Metric]  80.8 93.81 180 top
C18#15  100n  [C_0603_1608Metric]  265.8 93.81 180 top
C18#16  100n  [C_0603_1608Metric]  228.8 93.81 180 top
C18#17  100n  [C_0603_1608Metric]  43.8 159.81 180 top
C18#18  100n  [C_0603_1608Metric]  6.8 159.81 180 top
C18#19  100n  [C_0603_1608Metric]  191.8 159.81 180 top
C18#20  100n  [C_0603_1608Metric]  154.8 159.81 180 top
C18#21  100n  [C_0603_1608Metric]  43.8 225.81 180 top
C18#22  100n  [C_0603_1608Metric]  117.8 159.81 180 top
C18#23  100n  [C_0603_1608Metric]  80.8 159.81 180 top
C18#24  100n  [C_0603_1608Metric]  6.8 225.81 180 top
C18#25  100n  [C_0603_1608Metric]  265.8 159.81 180 top
C18#26  100n  [C_0603_1608Metric]  228.8 159.81 180 top
C18#27  100n  [C_0603_1608Metric]  191.8 225.81 180 top
C18#28  100n  [C_0603_1608Metric]  154.8 225.81 180 top
C18#29  100n  [C_0603_1608Metric]  117.8 225.81 180 top
C18#30  100n  [C_0603_1608Metric]  80.8 225.81 180 top
C18#31  100n  [C_0603_1608Metric]  265.8 225.81 180 top
C18#32  100n  [C_0603_1608Metric]  228.8 225.81 180 top
C19  100n  [C_0603_1608Metric]  19.6 32.62 270 top
C19#2  100n  [C_0603_1608Metric]  56.6 32.62 270 top
C19#3  100n  [C_0603_1608Metric]  130.6 32.62 270 top
C19#4  100n  [C_0603_1608Metric]  93.6 32.62 270 top
C19#5  100n  [C_0603_1608Metric]  204.6 32.62 270 top
C19#6  100n  [C_0603_1608Metric]  167.6 32.62 270 top
C19#7  100n  [C_0603_1608Metric]  241.6 32.62 270 top
C19#8  100n  [C_0603_1608Metric]  278.6 32.62 270 top
C19#9  100n  [C_0603_1608Metric]  56.6 98.62 270 top
C19#10  100n  [C_0603_1608Metric]  130.6 98.62 270 top
C19#11  100n  [C_0603_1608Metric]  19.6 98.62 270 top
C19#12  100n  [C_0603_1608Metric]  167.6 98.62 270 top
C19#13  100n  [C_0603_1608Metric]  204.6 98.62 270 top
C19#14  100n  [C_0603_1608Metric]  93.6 98.62 270 top
C19#15  100n  [C_0603_1608Metric]  241.6 98.62 270 top
C19#16  100n  [C_0603_1608Metric]  278.6 98.62 270 top
C19#17  100n  [C_0603_1608Metric]  56.6 164.62 270 top
C19#18  100n  [C_0603_1608Metric]  130.6 164.62 270 top
C19#19  100n  [C_0603_1608Metric]  19.6 164.62 270 top
C19#20  100n  [C_0603_1608Metric]  167.6 164.62 270 top
C19#21  100n  [C_0603_1608Metric]  56.6 230.62 270 top
C19#22  100n  [C_0603_1608Metric]  204.6 164.62 270 top
C19#23  100n  [C_0603_1608Metric]  93.6 164.62 270 top
C19#24  100n  [C_0603_1608Metric]  130.6 230.62 270 top
C19#25  100n  [C_0603_1608Metric]  19.6 230.62 270 top
C19#26  100n  [C_0603_1608Metric]  241.6 164.62 270 top
C19#27  100n  [C_0603_1608Metric]  278.6 164.62 270 top
C19#28  100n  [C_0603_1608Metric]  167.6 230.62 270 top
C19#29  100n  [C_0603_1608Metric]  204.6 230.62 270 top
C19#30  100n  [C_0603_1608Metric]  93.6 230.62 270 top
C19#31  100n  [C_0603_1608Metric]  241.6 230.62 270 top
C19#32  100n  [C_0603_1608Metric]  278.6 230.62 270 top
C20  100n  [C_0603_1608Metric]  20.75 40.76 0 top
C20#2  100n  [C_0603_1608Metric]  57.75 40.76 0 top
C20#3  100n  [C_0603_1608Metric]  131.75 40.76 0 top
C20#4  100n  [C_0603_1608Metric]  94.75 40.76 0 top
C20#5  100n  [C_0603_1608Metric]  205.75 40.76 0 top
C20#6  100n  [C_0603_1608Metric]  168.75 40.76 0 top
C20#7  100n  [C_0603_1608Metric]  279.75 40.76 0 top
C20#8  100n  [C_0603_1608Metric]  242.75 40.76 0 top
C20#9  100n  [C_0603_1608Metric]  57.75 106.76 0 top
C20#10  100n  [C_0603_1608Metric]  20.75 106.76 0 top
C20#11  100n  [C_0603_1608Metric]  205.75 106.76 0 top
C20#12  100n  [C_0603_1608Metric]  168.75 106.76 0 top
C20#13  100n  [C_0603_1608Metric]  131.75 106.76 0 top
C20#14  100n  [C_0603_1608Metric]  94.75 106.76 0 top
C20#15  100n  [C_0603_1608Metric]  279.75 106.76 0 top
C20#16  100n  [C_0603_1608Metric]  242.75 106.76 0 top
C20#17  100n  [C_0603_1608Metric]  57.75 172.76 0 top
C20#18  100n  [C_0603_1608Metric]  20.75 172.76 0 top
C20#19  100n  [C_0603_1608Metric]  205.75 172.76 0 top
C20#20  100n  [C_0603_1608Metric]  168.75 172.76 0 top
C20#21  100n  [C_0603_1608Metric]  57.75 238.76 0 top
C20#22  100n  [C_0603_1608Metric]  131.75 172.76 0 top
C20#23  100n  [C_0603_1608Metric]  94.75 172.76 0 top
C20#24  100n  [C_0603_1608Metric]  20.75 238.76 0 top
C20#25  100n  [C_0603_1608Metric]  279.75 172.76 0 top
C20#26  100n  [C_0603_1608Metric]  242.75 172.76 0 top
C20#27  100n  [C_0603_1608Metric]  205.75 238.76 0 top
C20#28  100n  [C_0603_1608Metric]  168.75 238.76 0 top
C20#29  100n  [C_0603_1608Metric]  131.75 238.76 0 top
C20#30  100n  [C_0603_1608Metric]  94.75 238.76 0 top
C20#31  100n  [C_0603_1608Metric]  279.75 238.76 0 top
C20#32  100n  [C_0603_1608Metric]  242.75 238.76 0 top
C21  100n  [C_0603_1608Metric]  29.8 30.01 0 top
C21#2  100n  [C_0603_1608Metric]  66.8 30.01 0 top
C21#3  100n  [C_0603_1608Metric]  140.8 30.01 0 top
C21#4  100n  [C_0603_1608Metric]  103.8 30.01 0 top
C21#5  100n  [C_0603_1608Metric]  214.8 30.01 0 top
C21#6  100n  [C_0603_1608Metric]  177.8 30.01 0 top
C21#7  100n  [C_0603_1608Metric]  251.8 30.01 0 top
C21#8  100n  [C_0603_1608Metric]  288.8 30.01 0 top
C21#9  100n  [C_0603_1608Metric]  66.8 96.01 0 top
C21#10  100n  [C_0603_1608Metric]  140.8 96.01 0 top
C21#11  100n  [C_0603_1608Metric]  29.8 96.01 0 top
C21#12  100n  [C_0603_1608Metric]  177.8 96.01 0 top
C21#13  100n  [C_0603_1608Metric]  103.8 96.01 0 top
C21#14  100n  [C_0603_1608Metric]  214.8 96.01 0 top
C21#15  100n  [C_0603_1608Metric]  251.8 96.01 0 top
C21#16  100n  [C_0603_1608Metric]  288.8 96.01 0 top
C21#17  100n  [C_0603_1608Metric]  66.8 162.01 0 top
C21#18  100n  [C_0603_1608Metric]  140.8 162.01 0 top
C21#19  100n  [C_0603_1608Metric]  29.8 162.01 0 top
C21#20  100n  [C_0603_1608Metric]  177.8 162.01 0 top
C21#21  100n  [C_0603_1608Metric]  66.8 228.01 0 top
C21#22  100n  [C_0603_1608Metric]  103.8 162.01 0 top
C21#23  100n  [C_0603_1608Metric]  214.8 162.01 0 top
C21#24  100n  [C_0603_1608Metric]  140.8 228.01 0 top
C21#25  100n  [C_0603_1608Metric]  29.8 228.01 0 top
C21#26  100n  [C_0603_1608Metric]  251.8 162.01 0 top
C21#27  100n  [C_0603_1608Metric]  288.8 162.01 0 top
C21#28  100n  [C_0603_1608Metric]  177.8 228.01 0 top
C21#29  100n  [C_0603_1608Metric]  103.8 228.01 0 top
C21#30  100n  [C_0603_1608Metric]  214.8 228.01 0 top
C21#31  100n  [C_0603_1608Metric]  251.8 228.01 0 top
C21#32  100n  [C_0603_1608Metric]  288.8 228.01 0 top
C22  1u  [C_0603_1608Metric]  32.15 44.76 270 top
C22#2  1u  [C_0603_1608Metric]  69.15 44.76 270 top
C22#3  1u  [C_0603_1608Metric]  143.15 44.76 270 top
C22#4  1u  [C_0603_1608Metric]  106.15 44.76 270 top
C22#5  1u  [C_0603_1608Metric]  217.15 44.76 270 top
C22#6  1u  [C_0603_1608Metric]  180.15 44.76 270 top
C22#7  1u  [C_0603_1608Metric]  291.15 44.76 270 top
C22#8  1u  [C_0603_1608Metric]  254.15 44.76 270 top
C22#9  1u  [C_0603_1608Metric]  69.15 110.76 270 top
C22#10  1u  [C_0603_1608Metric]  32.15 110.76 270 top
C22#11  1u  [C_0603_1608Metric]  217.15 110.76 270 top
C22#12  1u  [C_0603_1608Metric]  180.15 110.76 270 top
C22#13  1u  [C_0603_1608Metric]  143.15 110.76 270 top
C22#14  1u  [C_0603_1608Metric]  106.15 110.76 270 top
C22#15  1u  [C_0603_1608Metric]  291.15 110.76 270 top
C22#16  1u  [C_0603_1608Metric]  254.15 110.76 270 top
C22#17  1u  [C_0603_1608Metric]  69.15 176.76 270 top
C22#18  1u  [C_0603_1608Metric]  32.15 176.76 270 top
C22#19  1u  [C_0603_1608Metric]  217.15 176.76 270 top
C22#20  1u  [C_0603_1608Metric]  180.15 176.76 270 top
C22#21  1u  [C_0603_1608Metric]  69.15 242.76 270 top
C22#22  1u  [C_0603_1608Metric]  143.15 176.76 270 top
C22#23  1u  [C_0603_1608Metric]  106.15 176.76 270 top
C22#24  1u  [C_0603_1608Metric]  32.15 242.76 270 top
C22#25  1u  [C_0603_1608Metric]  291.15 176.76 270 top
C22#26  1u  [C_0603_1608Metric]  254.15 176.76 270 top
C22#27  1u  [C_0603_1608Metric]  217.15 242.76 270 top
C22#28  1u  [C_0603_1608Metric]  180.15 242.76 270 top
C22#29  1u  [C_0603_1608Metric]  143.15 242.76 270 top
C22#30  1u  [C_0603_1608Metric]  106.15 242.76 270 top
C22#31  1u  [C_0603_1608Metric]  291.15 242.76 270 top
C22#32  1u  [C_0603_1608Metric]  254.15 242.76 270 top
C23  10n  [C_0603_1608Metric]  33.65 44.76 270 top
C23#2  10n  [C_0603_1608Metric]  70.65 44.76 270 top
C23#3  10n  [C_0603_1608Metric]  144.65 44.76 270 top
C23#4  10n  [C_0603_1608Metric]  107.65 44.76 270 top
C23#5  10n  [C_0603_1608Metric]  218.65 44.76 270 top
C23#6  10n  [C_0603_1608Metric]  181.65 44.76 270 top
C23#7  10n  [C_0603_1608Metric]  292.65 44.76 270 top
C23#8  10n  [C_0603_1608Metric]  255.65 44.76 270 top
C23#9  10n  [C_0603_1608Metric]  70.65 110.76 270 top
C23#10  10n  [C_0603_1608Metric]  33.65 110.76 270 top
C23#11  10n  [C_0603_1608Metric]  218.65 110.76 270 top
C23#12  10n  [C_0603_1608Metric]  181.65 110.76 270 top
C23#13  10n  [C_0603_1608Metric]  144.65 110.76 270 top
C23#14  10n  [C_0603_1608Metric]  107.65 110.76 270 top
C23#15  10n  [C_0603_1608Metric]  292.65 110.76 270 top
C23#16  10n  [C_0603_1608Metric]  255.65 110.76 270 top
C23#17  10n  [C_0603_1608Metric]  70.65 176.76 270 top
C23#18  10n  [C_0603_1608Metric]  33.65 176.76 270 top
C23#19  10n  [C_0603_1608Metric]  218.65 176.76 270 top
C23#20  10n  [C_0603_1608Metric]  181.65 176.76 270 top
C23#21  10n  [C_0603_1608Metric]  70.65 242.76 270 top
C23#22  10n  [C_0603_1608Metric]  144.65 176.76 270 top
C23#23  10n  [C_0603_1608Metric]  107.65 176.76 270 top
C23#24  10n  [C_0603_1608Metric]  33.65 242.76 270 top
C23#25  10n  [C_0603_1608Metric]  292.65 176.76 270 top
C23#26  10n  [C_0603_1608Metric]  255.65 176.76 270 top
C23#27  10n  [C_0603_1608Metric]  218.65 242.76 270 top
C23#28  10n  [C_0603_1608Metric]  181.65 242.76 270 top
C23#29  10n  [C_0603_1608Metric]  144.65 242.76 270 top
C23#30  10n  [C_0603_1608Metric]  107.65 242.76 270 top
C23#31  10n  [C_0603_1608Metric]  292.65 242.76 270 top
C23#32  10n  [C_0603_1608Metric]  255.65 242.76 270 top
C24  1u  [C_0603_1608Metric]  9.6 5.51 90 top
C24#2  1u  [C_0603_1608Metric]  46.6 5.51 90 top
C24#3  1u  [C_0603_1608Metric]  83.6 5.51 90 top
C24#4  1u  [C_0603_1608Metric]  120.6 5.51 90 top
C24#5  1u  [C_0603_1608Metric]  157.6 5.51 90 top
C24#6  1u  [C_0603_1608Metric]  194.6 5.51 90 top
C24#7  1u  [C_0603_1608Metric]  268.6 5.51 90 top
C24#8  1u  [C_0603_1608Metric]  231.6 5.51 90 top
C24#9  1u  [C_0603_1608Metric]  9.6 71.51 90 top
C24#10  1u  [C_0603_1608Metric]  194.6 71.51 90 top
C24#11  1u  [C_0603_1608Metric]  83.6 71.51 90 top
C24#12  1u  [C_0603_1608Metric]  120.6 71.51 90 top
C24#13  1u  [C_0603_1608Metric]  46.6 71.51 90 top
C24#14  1u  [C_0603_1608Metric]  157.6 71.51 90 top
C24#15  1u  [C_0603_1608Metric]  268.6 71.51 90 top
C24#16  1u  [C_0603_1608Metric]  231.6 71.51 90 top
C24#17  1u  [C_0603_1608Metric]  9.6 137.51 90 top
C24#18  1u  [C_0603_1608Metric]  194.6 137.51 90 top
C24#19  1u  [C_0603_1608Metric]  83.6 137.51 90 top
C24#20  1u  [C_0603_1608Metric]  120.6 137.51 90 top
C24#21  1u  [C_0603_1608Metric]  46.6 137.51 90 top
C24#22  1u  [C_0603_1608Metric]  157.6 137.51 90 top
C24#23  1u  [C_0603_1608Metric]  9.6 203.51 90 top
C24#24  1u  [C_0603_1608Metric]  268.6 137.51 90 top
C24#25  1u  [C_0603_1608Metric]  231.6 137.51 90 top
C24#26  1u  [C_0603_1608Metric]  194.6 203.51 90 top
C24#27  1u  [C_0603_1608Metric]  83.6 203.51 90 top
C24#28  1u  [C_0603_1608Metric]  120.6 203.51 90 top
C24#29  1u  [C_0603_1608Metric]  46.6 203.51 90 top
C24#30  1u  [C_0603_1608Metric]  157.6 203.51 90 top
C24#31  1u  [C_0603_1608Metric]  268.6 203.51 90 top
C24#32  1u  [C_0603_1608Metric]  231.6 203.51 90 top
C25  22p  [C_0603_1608Metric]  35 28.51 0 top
C25#2  22p  [C_0603_1608Metric]  72 28.51 0 top
C25#3  22p  [C_0603_1608Metric]  109 28.51 0 top
C25#4  22p  [C_0603_1608Metric]  146 28.51 0 top
C25#5  22p  [C_0603_1608Metric]  183 28.51 0 top
C25#6  22p  [C_0603_1608Metric]  220 28.51 0 top
C25#7  22p  [C_0603_1608Metric]  294 28.51 0 top
C25#8  22p  [C_0603_1608Metric]  257 28.51 0 top
C25#9  22p  [C_0603_1608Metric]  35 94.51 0 top
C25#10  22p  [C_0603_1608Metric]  220 94.51 0 top
C25#11  22p  [C_0603_1608Metric]  109 94.51 0 top
C25#12  22p  [C_0603_1608Metric]  146 94.51 0 top
C25#13  22p  [C_0603_1608Metric]  72 94.51 0 top
C25#14  22p  [C_0603_1608Metric]  183 94.51 0 top
C25#15  22p  [C_0603_1608Metric]  294 94.51 0 top
C25#16  22p  [C_0603_1608Metric]  257 94.51 0 top
C25#17  22p  [C_0603_1608Metric]  35 160.51 0 top
C25#18  22p  [C_0603_1608Metric]  220 160.51 0 top
C25#19  22p  [C_0603_1608Metric]  109 160.51 0 top
C25#20  22p  [C_0603_1608Metric]  146 160.51 0 top
C25#21  22p  [C_0603_1608Metric]  72 160.51 0 top
C25#22  22p  [C_0603_1608Metric]  183 160.51 0 top
C25#23  22p  [C_0603_1608Metric]  35 226.51 0 top
C25#24  22p  [C_0603_1608Metric]  294 160.51 0 top
C25#25  22p  [C_0603_1608Metric]  257 160.51 0 top
C25#26  22p  [C_0603_1608Metric]  220 226.51 0 top
C25#27  22p  [C_0603_1608Metric]  109 226.51 0 top
C25#28  22p  [C_0603_1608Metric]  146 226.51 0 top
C25#29  22p  [C_0603_1608Metric]  72 226.51 0 top
C25#30  22p  [C_0603_1608Metric]  183 226.51 0 top
C25#31  22p  [C_0603_1608Metric]  294 226.51 0 top
C25#32  22p  [C_0603_1608Metric]  257 226.51 0 top
C26  22p  [C_0603_1608Metric]  35 34.51 180 top
C26#2  22p  [C_0603_1608Metric]  72 34.51 180 top
C26#3  22p  [C_0603_1608Metric]  109 34.51 180 top
C26#4  22p  [C_0603_1608Metric]  146 34.51 180 top
C26#5  22p  [C_0603_1608Metric]  183 34.51 180 top
C26#6  22p  [C_0603_1608Metric]  220 34.51 180 top
C26#7  22p  [C_0603_1608Metric]  294 34.51 180 top
C26#8  22p  [C_0603_1608Metric]  257 34.51 180 top
C26#9  22p  [C_0603_1608Metric]  35 100.51 180 top
C26#10  22p  [C_0603_1608Metric]  220 100.51 180 top
C26#11  22p  [C_0603_1608Metric]  109 100.51 180 top
C26#12  22p  [C_0603_1608Metric]  146 100.51 180 top
C26#13  22p  [C_0603_1608Metric]  72 100.51 180 top
C26#14  22p  [C_0603_1608Metric]  183 100.51 180 top
C26#15  22p  [C_0603_1608Metric]  294 100.51 180 top
C26#16  22p  [C_0603_1608Metric]  257 100.51 180 top
C26#17  22p  [C_0603_1608Metric]  35 166.51 180 top
C26#18  22p  [C_0603_1608Metric]  220 166.51 180 top
C26#19  22p  [C_0603_1608Metric]  109 166.51 180 top
C26#20  22p  [C_0603_1608Metric]  146 166.51 180 top
C26#21  22p  [C_0603_1608Metric]  72 166.51 180 top
C26#22  22p  [C_0603_1608Metric]  183 166.51 180 top
C26#23  22p  [C_0603_1608Metric]  35 232.51 180 top
C26#24  22p  [C_0603_1608Metric]  294 166.51 180 top
C26#25  22p  [C_0603_1608Metric]  257 166.51 180 top
C26#26  22p  [C_0603_1608Metric]  220 232.51 180 top
C26#27  22p  [C_0603_1608Metric]  109 232.51 180 top
C26#28  22p  [C_0603_1608Metric]  146 232.51 180 top
C26#29  22p  [C_0603_1608Metric]  72 232.51 180 top
C26#30  22p  [C_0603_1608Metric]  183 232.51 180 top
C26#31  22p  [C_0603_1608Metric]  294 232.51 180 top
C26#32  22p  [C_0603_1608Metric]  257 232.51 180 top
D1  MBR120  [D_SOD-123F]  27.2 5.51 180 top
D1#2  MBR120  [D_SOD-123F]  64.2 5.51 180 top
D1#3  MBR120  [D_SOD-123F]  101.2 5.51 180 top
D1#4  MBR120  [D_SOD-123F]  138.2 5.51 180 top
D1#5  MBR120  [D_SOD-123F]  175.2 5.51 180 top
D1#6  MBR120  [D_SOD-123F]  212.2 5.51 180 top
D1#7  MBR120  [D_SOD-123F]  286.2 5.51 180 top
D1#8  MBR120  [D_SOD-123F]  249.2 5.51 180 top
D1#9  MBR120  [D_SOD-123F]  27.2 71.51 180 top
D1#10  MBR120  [D_SOD-123F]  212.2 71.51 180 top
D1#11  MBR120  [D_SOD-123F]  101.2 71.51 180 top
D1#12  MBR120  [D_SOD-123F]  138.2 71.51 180 top
D1#13  MBR120  [D_SOD-123F]  64.2 71.51 180 top
D1#14  MBR120  [D_SOD-123F]  175.2 71.51 180 top
D1#15  MBR120  [D_SOD-123F]  286.2 71.51 180 top
D1#16  MBR120  [D_SOD-123F]  249.2 71.51 180 top
D1#17  MBR120  [D_SOD-123F]  27.2 137.51 180 top
D1#18  MBR120  [D_SOD-123F]  212.2 137.51 180 top
D1#19  MBR120  [D_SOD-123F]  101.2 137.51 180 top
